# Altium PCB Template_F411.PcbDoc
Units mil, origin at the board's own origin, x right, y up, seen from the top; angles counter-clockwise.
Board outline 6000 x 4000 mil, 2 copper layers (Top Layer, Bottom Layer), stack 61.2 mil thick; 35 components, 51 nets, 215 pads, 157 vias.
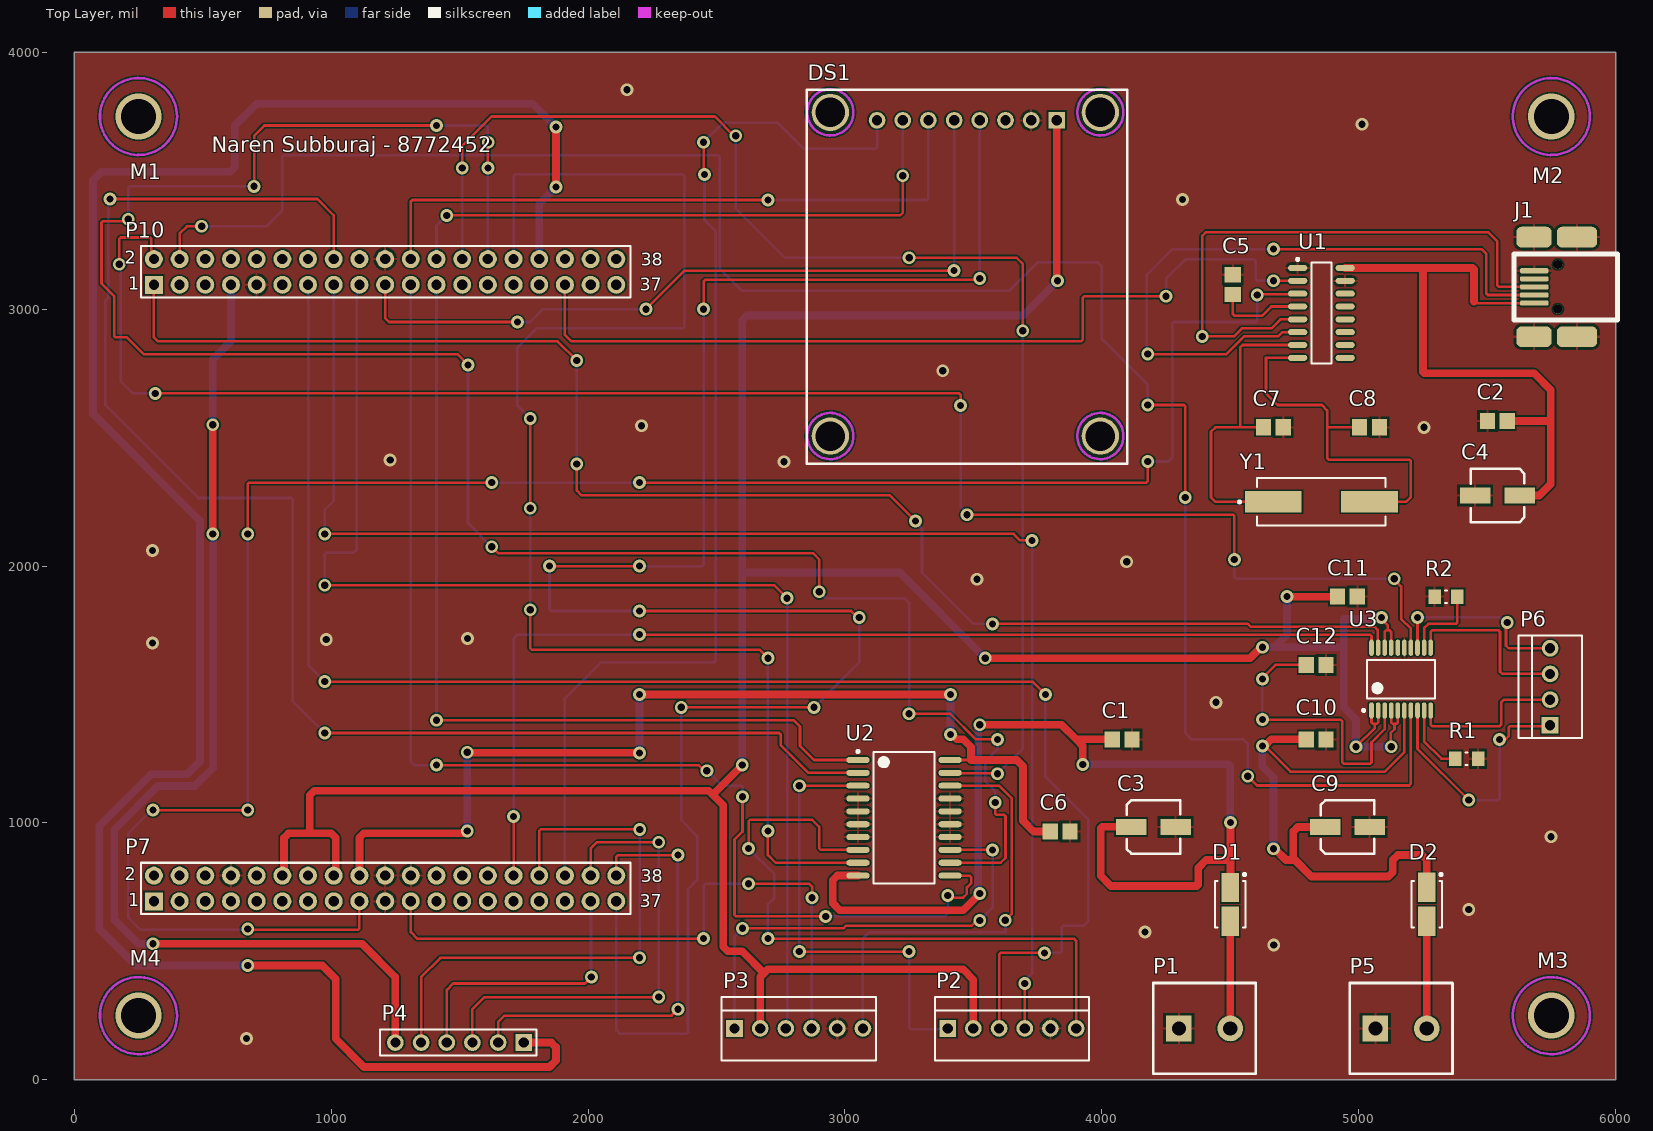
[diagram p0: Top Layer view]
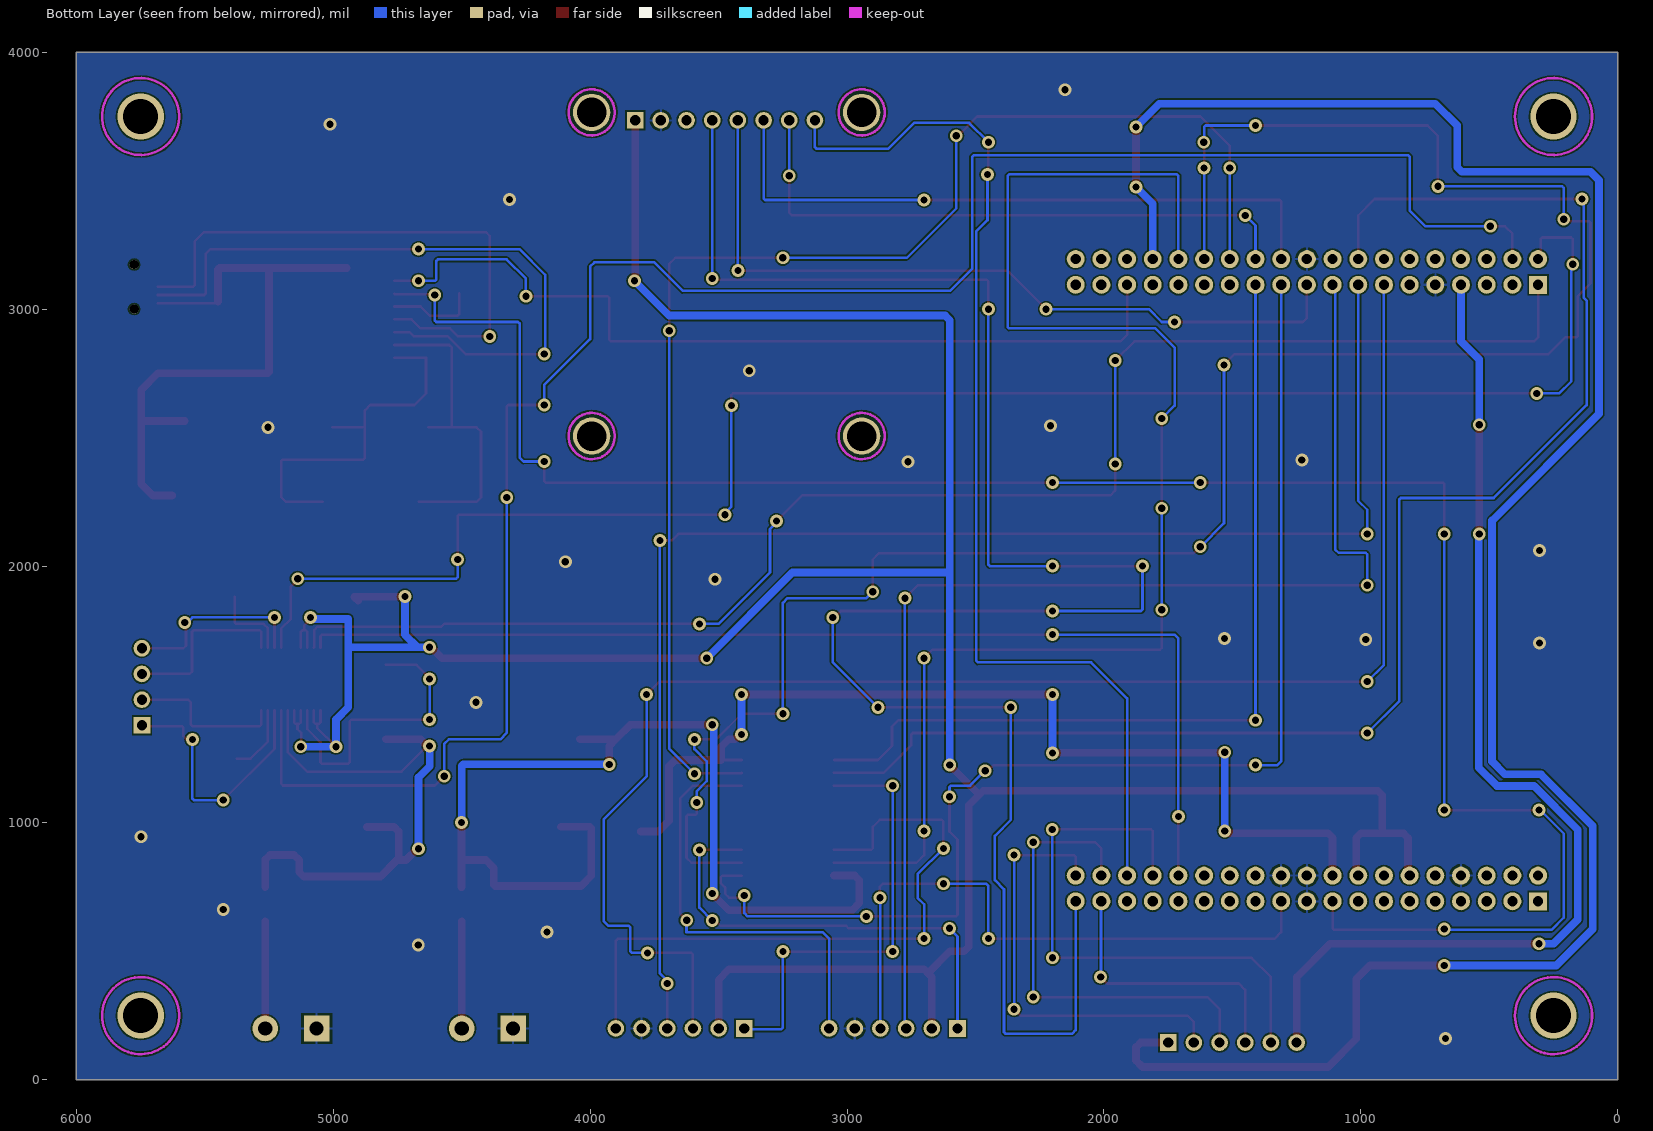
[diagram p1: Bottom Layer view, seen from below]
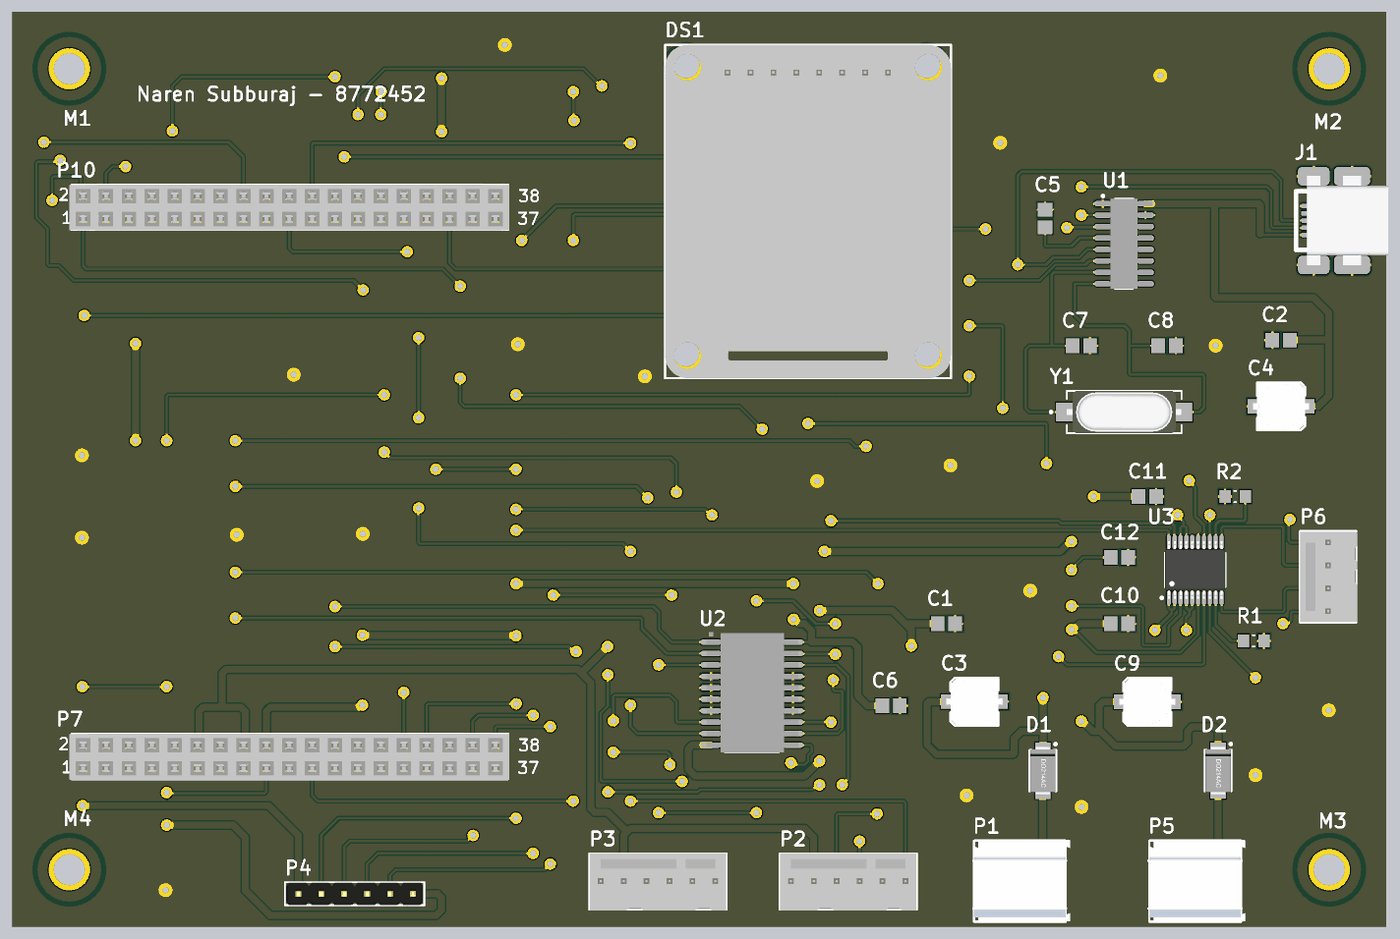
[diagram p2: 3D render of the assembled board from above, using the file's embedded part models]

## Layer stack, top to bottom
Top Solder: solder mask 0.4, Solder Resist, Dk 3.5
Top Layer: signal copper 1.4
Dielectric 1: dielectric 58.4, FR-4, Dk 4.8
Bottom Layer: signal copper 1.4
Bottom Solder: solder mask 0.4, Solder Resist, Dk 3.5

## Board outline
0,0 6000,0 6000,4000 0,4000

## Design rules (kind name [scope] priority, off if disabled: settings)
Clearance [All] p1: gap=6 ignorepadtopadclearanceinfootprint=TRUE
HoleSize [All] p1: absolutevalues=TRUE maxlimit=150 minlimit=20 maxpercent=80.000 minpercent=20.000
MinimumAnnularRing [All] p1: minimumring=10
MinimumSolderMaskSliver [All] p1: minsoldermaskwidth=3
PolygonConnect [All] p1: connectstyle=Relief reliefconductorwidth=10 reliefentries=4 polygonreliefangle="90 Angle" airgapwidth=10
RoutingVias [All] p1: holewidth=28 width=50 viastyle="Through Hole" minholewidth=20 minwidth=30 maxholewidth=40 maxwidth=50
SolderMaskExpansion [All] p1: expansion=5 istentingtop=FALSE
Width Power [InNetClass('POWER')] p1: maxlimit=100 minlimit=20 preferedwidth=30
Width [All] p2: maxlimit=30 minlimit=10 preferedwidth=10 minimp=50.000000 maximp=50.000000 favimp=50.000000
28 further rules are at their usual default settings.

## Classes and differential pairs
component class Sheet3: C9 C10 C11 C12 D2 P5 P6 R1 R2 U3
component class Sheet2: C1 C2 C3 C4 C5 C6 C7 C8 D1 DS1 J1 P1 P2 P3 U1 U2 Y1
component class Sheet1: P7 P10
component class Mechanical: M1 M2 M3 M4 M5

## Components (designator, comment, footprint, x,y, rotation, side; value= is the part's Value field where it differs from the comment)
C1 "Cap" CAPC2012X09M 4078.95,1325.32 r180 top value=.1uF
C2 "Cap" CAPC2012X09M 5540,2564.68 r180 top value=.1uF
C3 "Cap Pol" CAPACITOR_5MM 4201,984.68 r0 top value=10uF
C4 "Cap Pol" CAPACITOR_5MM 5540,2274.68 r180 top value=10uF
C5 "Cap" CAPC2012X09M 4510,3095.61 r90 top value=.1uF
C6 "Cap" CAPC2012X09M 3837.45,966.46 r180 top value=.1uF
C7 "Cap" CAPC2012X09M 4667.93,2540 r0 top value=33pF
C8 "Cap" CAPC2012X09M 5041.95,2540 r0 top value=33pF
C9 "Cap Pol" CAPACITOR_5MM 4956.16,984.03 r0 top value=10uF
C10 "Cap" CAPC2012X09M 4834.11,1325.32 r0 top value=.1uF
C11 "Cap" CAPC2012X09M 4956.16,1880.99 r0 top value=.1uF
C12 "Cap" CAPC2012X09M 4834.11,1615 r0 top value=220pF
D1 "DIODE SCHOTTKY 40V 2A SMA" DIOM4326X23M 4500,682.95 r270 top
D2 "DIODE SCHOTTKY 40V 2A SMA" DIOM4326X23M 5265,683.2 r270 top
DS1 "OLED" OLED_RGB_0.95_96x64_Waveshare 3825,3735 r0 top locked
J1 "67503-1020" MOLX-67503-1020_V 5683.47,3023.62 r180 top
M1 "MOUNTING_HOLE" MOUNTING_HOLE 250,3750 r0 top locked
M2 "MOUNTING_HOLE" MOUNTING_HOLE 5750,3750 r0 top locked
M3 "MOUNTING_HOLE" MOUNTING_HOLE 5750,250 r0 top locked
M4 "MOUNTING_HOLE" MOUNTING_HOLE 250,250 r0 top locked
M5 "Nucleo-64" NUCLEO_64 2827,5110 r90 top
P1 "Terminal 2" TYCO_282841_2 4400,200 r0 top
P2 "Molex_22-11-2062" MOLEX_22-11-2062 3400,200 r0 top
P3 "Molex_22-11-2062" MOLEX_22-11-2062 2570,200 r0 top
P4 "Header 6" HDR1X6 1750,145 r180 top
P5 "Terminal 2" TYCO_282841_2 5165,200 r0 top
P6 "Molex_22-11-2042" MOLEX-22-11-2042 5745,1380 r90 top
P7 "Header 19X2H" PPPC192LFBN-RC 310,695 r0 top locked
P10 "Header 19X2H" PPPC192LFBN-RC 310,3095 r0 top locked
R1 "Res3" RESC2112X05M 5420.51,1250 r180 top value=4.99R
R2 "Res3" RESC2112X05M 5339.8,1880.99 r0 top value=4.99R
U1 "CH340G" NSO16_L 4854.94,2985.43 r0 top
U2 "L293DD" SO20_N 3230,1020 r0 top
U3 "TB6608FNG,C8,EL" TSOP65P640X160-20M 5165,1560 r90 top
Y1 "AS-12.000-18-SMD-TR" HCS-49/U 4854.94,2250 r0 top

## Footprints (in the part's own frame and the unit in brackets; to place one, negate y for a bottom-side part, rotate by r counter-clockwise, add the part's x,y. Pads: shape width x height; smd on the part's side, far side on the other; paste and mask are expansions set on the pad)
CAPACITOR_5MM [mm]
  rect 3x1.6 smd: 1(-2.2,0) 2(2.2,0)
  silkscreen extent -2.65,-2.65 2.65,2.65, body extent -3.1,-2.65 3.1,2.65, height 6.15
CAPC2012X09M [mm] "Chip Capacitor, 2-Leads, Body 2.00x1.25mm, IPC Low Density"
  rect 1.5x1.6 smd: 1(-0.975,0) 2(0.975,0)
  body extent -1.1,-0.72 1.1,0.72, height 0.88
DIOM4326X23M [mm] "Molded Diode, 2-Leads, Body 4.30x2.60mm, IPC Low Density"
  rect 2.9x1.7 smd: 1(-1.675,0) 2(1.675,0)
  silkscreen extent -3.07,-1.5 2.3,1.53, body extent -2.74,-1.4 2.74,1.4, height 2.36
HCS-49/U [mm] "SMD, 2-Leads, Body 11.4x4.7mm"
  rect 5.6x2.1 smd: 1(-4.75,0) 2(4.75,0)
  silkscreen extent -8.22,-2.35 6.35,2.35, body extent -6.35,-2.35 6.35,2.35, height 4.16
HDR1X6 [mil] "Connector; Header; 6 Position"
  rect 65x65 hole 40: 1(0,0)
  round 65 hole 40: 2(100,0) 3(200,0) 4(300,0) 5(400,0) 6(500,0)
  silkscreen extent -50,-50 559,50, body extent -46,-48 554,50, height 370
MOLEX-22-11-2042 [mil] "CONN HEADER 4POS .100 VERT GOLD"
  rect 65x65 hole 40: 1(0,0)
  round 65 hole 40: 2(100,0) 3(200,0) 4(300,0)
  silkscreen extent -50,-124 350,123, body extent -47,-128 347,122, height 422
MOLEX_22-11-2062 [mil] "CONN HEADER 6POS .100 VERT GOLD"
  rect 65x65 hole 40: 1(0,0)
  round 65 hole 40: 2(100,0) 3(200,0) 4(300,0) 5(400,0) 6(500,0)
  silkscreen extent -50,-125 550,122, body extent -47,-128 547,122, height 422
MOLX-67503-1020_V [mm] "Mini USB Connector, SMT, Righer Angle"
  rrect50% 2.8x0.5 smd: 1(0,0) 2(0,-0.8) 3(0,-1.6) 4(0,-2.4) 5(0,-3.2)
  rrect50% 3.5x2.05 smd: 6(0.025,3.325) 8(0.025,-6.525)
  rrect50% 4x2.05 smd: 7(-4.225,3.325) 9(-4.225,-6.525)
  round 0.9 hole 0.9 unplated: X(-2.325,-3.8) Y(-2.325,0.6)
  silkscreen extent -8.25,-4.85 2,1.65, body extent -8.22,-6.56 0.78,3.34, height 3.95
MOUNTING_HOLE [mil]
  Keep-Out Layer circle w10: c0,0 r150
NSO16_L [mm] "SOIC, 16-Leads, Body 9.9x3.9mm, Pitch 1.27mm, IPC High Density"
  oval 1.9x0.6 smd: 1(-2.35,4.445) 2(-2.35,3.175) 3(-2.35,1.905) 4(-2.35,0.635) 5(-2.35,-0.635) 6(-2.35,-1.905) 7(-2.35,-3.175) 8(-2.35,-4.445) 9(2.35,-4.445) 10(2.35,-3.175) 11(2.35,-1.905) 12(2.35,-0.635) 13(2.35,0.635) 14(2.35,1.905) 15(2.35,3.175) 16(2.35,4.445)
  silkscreen extent -2.47,-5 1,5.42, body extent -3.1,-5 3.1,5, height 1.75
NUCLEO_64 [mil] "Nucleo 64 Placeholder"
  body extent -128,-1998 2628,1269, height 394
OLED_RGB_0.95_96x64_Waveshare [mil]
  rect 65x65 hole 40: 1(0,0)
  round 65 hole 40: 2(-100,0) 3(-200,0) 4(-300,0) 5(-400,0) 6(-500,0) 7(-600,0) 8(-700,0)
  round 145 hole 115: NC(-882,-1228.84) NC(-882,31) NC(169.18,-1228.84) NC(169.18,31)
  Keep-Out Layer circle w10: c-882,-1228.84 r90
  Keep-Out Layer circle w10: c169.18,-1228.84 r90
  Keep-Out Layer circle w10: c169.18,31 r90
  Keep-Out Layer circle w10: c-882,31 r90
  silkscreen extent -974,-1337 274,119, body extent -974,-1337 274,119, height 422
PPPC192LFBN-RC [mil] "38 Position Header Connector 0.100in (2.54mm) Through Hole Gold"
  rect 70x70 hole 40: 1(0,0)
  round 70 hole 40: 2(0,100) 3(100,0) 4(100,100) 5(200,0) 6(200,100) 7(300,0) 8(300,100) 9(400,0) 10(400,100) 11(500,0) 12(500,100) 13(600,0) 14(600,100) 15(700,0) 16(700,100) 17(800,0) 18(800,100) 19(900,0) 20(900,100) 21(1000,0) 22(1000,100) 23(1100,0) 24(1100,100) 25(1200,0) 26(1200,100) 27(1300,0) 28(1300,100) 29(1400,0) 30(1400,100) 31(1500,0) 32(1500,100) 33(1600,0) 34(1600,100) 35(1700,0) 36(1700,100) 37(1800,0) 38(1800,100)
  silkscreen extent -50,-50 1856,150, body extent -60,-51 1860,149, height 335
RESC2112X05M [mm] "Chip Resistor, 2-Leads, Body 2.05x1.25mm, IPC Low Density"
  rect 1.25x1.45 smd: 1(-1.125,0) 2(1.125,0)
  silkscreen extent -0.1,-0.63 0.1,0.63, body extent -1.1,-0.7 1.1,0.7, height 0.5
SO20_N [mm] "SOIC, 20-Leads, Body 12.8x7.5mm, Pitch 1.27mm, IPC Medium Density"
  oval 2.3x0.6 smd: 1(-4.55,5.715) 2(-4.55,4.445) 3(-4.55,3.175) 4(-4.55,1.905) 5(-4.55,0.635) 6(-4.55,-0.635) 7(-4.55,-1.905) 8(-4.55,-3.175) 9(-4.55,-4.445) 10(-4.55,-5.715) 11(4.55,-5.715) 12(4.55,-4.445) 13(4.55,-3.175) 14(4.55,-1.905) 15(4.55,-0.635) 16(4.55,0.635) 17(4.55,1.905) 18(4.55,3.175) 19(4.55,4.445) 20(4.55,5.715)
  silkscreen extent -4.67,-6.5 3,6.69, body extent -5.04,-6.52 5.15,6.82, height 2.67
TSOP65P640X160-20M [mm] "TSOP, 20-Leads, Body 6.85x4.40mm, Pitch 0.65mm, IPC Low Density"
  oval 1.6x0.45 smd: 1(-3.1,2.925) 2(-3.1,2.275) 3(-3.1,1.625) 4(-3.1,0.975) 5(-3.1,0.325) 6(-3.1,-0.325) 7(-3.1,-0.975) 8(-3.1,-1.625) 9(-3.1,-2.275) 10(-3.1,-2.925) 11(3.1,-2.925) 12(3.1,-2.275) 13(3.1,-1.625) 14(3.1,-0.975) 15(3.1,-0.325) 16(3.1,0.325) 17(3.1,0.975) 18(3.1,1.625) 19(3.1,2.275) 20(3.1,2.925)
  silkscreen extent -3.22,-3.35 1.9,3.82, body extent -3.2,-3.35 3.2,3.35, height 1.6
TYCO_282841_2 [mil]
  rect 100x100 hole 55: 1(-100,0)
  round 100 hole 55: 2(100,0)
  silkscreen extent -200,-177 200,177, body extent -209,-174 219,180, height 600

## Part data
C1: library part CAP-X7R-.1uF-50V-±10%, "CAP CER .1uF 50v X7R 0805", MPN=C0805C104K5RACTU, Tolerance=±10%, Name=CAP-X7R-.1uF-50V-±10%, PN=399-1170-1-ND, Type=X7R, URL=http://www.digikey.ca/product-detail/en/C0805C104K5RACTU/399-1170-1-ND, WV=50
C2 C5 C6 C10 C11: library part CAP-X7R-.1uF-50V-±5%, "CAP CER .1uF 50v X7R 0805", MPN=C0805C104J5RACTU, Tolerance=±5%, Name=CAP-X7R-.1uF-50V-±5%, PN=399-1171-1-ND, Type=X7R, URL=http://www.digikey.ca/product-detail/en/C0805C104J5RACTU/399-1171-1-ND, WV=50
C3 C4 C9: library part "Cap Polar-10uF-35V", "CAP 85C 10uF ±20% 35V WX Series Aluminum Electrolytic", Leakage Current=3.5, MPN=UWX1V100MCL1GB, Rated Ripple Current=29, Voltage=35V, Diameter=5, Name="Cap Polar-10uF-35V", PN=493-2117-1-ND, Tan Theta=0.12, URL=http://www.digikey.ca/product-detail/en/UWX1V100MCL1GB/493-2117-1-ND
C7 C8: library part CAP-COG-33pF-50V-±5%, "CAP CER 33pF 50v COG 0805", MPN=C0805C330J5GACTU, Tolerance=±5%, Name=CAP-COG-33pF-50V-±5%, PN=399-1115-1-ND, Type=COG, URL=http://www.digikey.ca/product-detail/en/C0805C330J5GACTU/399-1115-1-ND, WV=50
C12: library part CAP-X7R-220pF-50V-±10%, "CAP CER 220pF 50v X7R 0805", MPN=C0805C221K5RACTU, Tolerance=±10%, Name=CAP-X7R-220pF-50V-±10%, PN=399-1138-1-ND, Type=X7R, URL=http://www.digikey.ca/product-detail/en/C0805C221K5RACTU/399-1138-1-ND, WV=50
D1 D2: "Schottky Rectifier", MPN=B240A-13-F, PN=B240A-FDICT-ND, URL=http://www.digikey.ca/product-detail/en/B240A-13-F/B240A-FDICT-ND
DS1: library part OLED_RGB_0.95_96x64_Waveshare, "Waveshare 0.95 inch OLED Module", MPN=PPPC081LFBN-RC, PN=S7041-ND, URL=https://www.digikey.ca/en/products/detail/sullins-connector-solutions/PPPC081LFBN-RC/810180
J1: library part MOLX-67503-1020, "USB, MINI, SMD, RA KME04-USBMU03A01", Manufacturer=Molex, ComponentLink1Description="Manufacturer URL", ComponentLink1URL=http://www.molex.com/, ComponentLink2Description=Datasheet, ComponentLink2URL=http://www.molex.com/pdm_docs/sd/675031020_sd.pdf, DatasheetVersion="Rev F, 06/2009", Mounting Technology="Surface Mount", PackageDescription="Mini USB Connector, SMT, Righer Angle", PackageReference=67503-1020, PartNumber=67503-1020, Terminal Pitch="0.8 mm"
M1 M2 M3 M4: "Mounting Hole"
M5: "Nucleo-64 Board Model"
P1 P5: "Terminal, 2-Pin", MPN=282841-2, LatestRevisionDate=17-Jul-2002, LatestRevisionNote="Re-released for DXP Platform.", PN=A98342-ND, Publisher="Altium Limited", URL=http://www.digikey.ca/product-detail/en/282841-2/A98342-ND/1136740
P2 P3: "CONN HEADER 6POS .100 VERT GOLD", MPN=0022112062, PN=WM2704-ND, URL=http://www.digikey.ca/product-detail/en/0022112062/WM2704-ND
P4: "Header, 6-Pin Male", MPN=PEC06SFAN, PN=S1212E-06-ND, URL=http://www.digikey.ca/product-detail/en/PEC06SFAN/S1212E-06-ND
P6: "CONN HEADER 4POS .100 VERT GOLD", MPN=0022112042, PN=WM2702-ND, URL=http://www.digikey.ca/product-detail/en/0022112042/WM2702-ND
P7 P10: "38 Position Header Connector 0.100in (2.54mm) Through Hole Gold", MPN=PPPC192LFBN-RC, PN=S7122-ND, URL=https://www.digikey.ca/product-detail/en/sullins-connector-solutions/PPPC192LFBN-RC/S7122-ND
R1 R2: library part Resistor_4.99R, "RES SMD 4.99R OHM 1% 1/8W 0805", MPN=CRCW08054R99FKEA, Name=Resistor_4.99R, PN=541-4.99CCCT-ND, URL=http://www.digikey.ca/product-detail/en/CRCW08054R99FKEA/541-4.99CCCT-ND
U1: "USB to serial chip", MPN=CH340G, PN=CH340G, URL=https://www.mpja.com/download/35227cpdata.pdf
U2: "IC MOTOR DRIVER PAR 20-SOIC", MPN=L293DD013TR, Code_IPC=SOIC127P1030-20, Code_JEDEC=MS-013-AC, ComponentLink1Description="Manufacturer Link", ComponentLink1URL=http://www.st.com/, ComponentLink2Description=Datasheet, ComponentLink2URL=http://www.st.com/stonline/products/literature/ds/1330/l293d.pdf, DatasheetVersion=Jun-1996, LatestRevisionDate=13-Apr-2006, LatestRevisionNote="IPC-7351 Footprint Added.", PackageDescription="20-Pin Plastic Small Outline Integrated Circuit 1.27 mm Pitch", PackageReference=SO20, PackageVersion=Jul-2001, PN=497-2937-1-ND, Published=8-Jun-2000, Publisher="Altium Limited", URL=http://www.digikey.ca/product-detail/en/L293DD013TR/497-2937-1-ND
U3: "IC MTR DRV BIPLR 2.7-5.5V 20SSOP", MPN=TB6608FNG,C8,EL, PN=TB6608FNGC8ELCT-ND, URL=https://www.digikey.ca/en/products/detail/toshiba-semiconductor-and-storage/TB6608FNG-C8-EL/1730074
Y1: "CRYSTAL 12.0000MHZ 18PF SMD", MPN=AS-12.000-18-SMD-TR, PN=2151-AS-12.000-18-SMD-TRCT-ND, URL=https://www.digikey.ca/en/products/detail/raltron-electronics/AS-12-000-18-SMD-TR/10271753

## Via types
v1: diameter 50, hole 28, Top Layer to Bottom Layer, 153 vias
v2: diameter 180, hole 136, Top Layer to Bottom Layer, 4 vias

## Nets (pads, with @x,y where several pads share a name; then routed paths per layer and width w, separated by ;. In a path a pad name is that pad's centre, name@x,y a point inside that pad or via, vN(x,y) a via of type N, cw(c..) or ccw(c..) an arc to the next point about the centre after c; other vN are vias at no path point)
3V3: C11.1 DS1.1 P2.2 P3.2 P7.12 P7.16 U3.1 U3.2 U3.4 U3.5 U3.17 U3.18 | length 12533.2
  Top Layer w10: v1(4989.63,1296.77) 5062.64,1369.78 5062.64,1385.6 ; U3.1 5049.84,1391.46 5055.7,1385.6 5062.64,1385.6 ; U3.2 5075.43,1391.46 5069.58,1385.6 5062.64,1385.6 ; v1(5088.23,1800) 5088.23,1794.61 5113.82,1769.02 5113.82,1750 ; U3.18 5101.02,1744.14 5106.88,1750 5113.82,1750 ; v1(5126.61,1296.77) 5124.04,1299.35 5124.04,1349.41 5139.41,1364.78 5139.41,1385.6 ; U3.4 5126.61,1391.46 5132.47,1385.6 5139.41,1385.6 ; U3.17 5126.61,1744.14 5120.76,1750 5113.82,1750 ; U3.5 5152.2,1391.46 5146.35,1385.6 5139.41,1385.6
  Top Layer w30: P7.12 816.57,801.57 816.57,942.43 834.14,960 917.11,960 ; P7.16 1017.65,802.65 1017.65,942.43 1000.08,960 917.11,960 ; v1(2600,1225) 2485,1110 ; P3.2 2670,400 2685,415 ; P2.2 3500,390 3460,430 2700,430 2685,415 ; v1(3546.23,1641.44) 4576.93,1641.44 4619.59,1684.09 v1(4625,1684.09) ; DS1.1 3825,3113.27 v1(3827.84,3110.43) ; v1(4721.08,1880.99) C11.1 4917.78,1879.02 C11.1@4903.25,1864.49 ; 917.11,960 917.11,1107.43 934.68,1125 2470,1125 2485,1110 ; 2485,1110 2526,1069 2526,517.57 2543.57,500 2600,500 2685,415
  Bottom Layer w10: 4941.98,1680 4939.93,1682.05 4941.98,1684.09 ; v1@5082.22,1793.99 v1(5088.23,1800)
  Bottom Layer w30: v1(2600,1225) 2600,1975 ; v1(3546.23,1641.44) 3212.67,1975 2600,1975 ; v1(3827.84,3110.43) 3692.41,2975 2617.57,2975 2600,2957.43 2600,1975 ; v1(4625,1684.09) 4671.95,1684.09 ; v1(4721.08,1880.99) 4721.08,1733.23 4671.95,1684.09 ; 4941.98,1680 4941.98,1450 4989.63,1402.35 v1(4989.63,1296.77) v1(5126.61,1296.77) ; v1@5082.22,1793.99 4941.98,1793.99 4941.98,1684.09 4671.95,1684.09
5V0: C6.2 P7.18 U2.20 | length 3930.6
  Top Layer w10: U2.20 3490.95,1245
  Top Layer w30: P7.18 1110,942.43 1127.57,960 v1@1529.59,960 ; v1(1529.59,1275) 1531.1,1273.48 2198.48,1273.48 v1(2200,1271.97) ; v1(2200,1500) v1(3410.9,1500) ; v1(3410.9,1344.14) 3416.31,1344.14 3435.14,1325.32 3460,1325.32 3490.95,1294.36 3490.95,1245 3669.14,1245 3693.11,1221.03 3693.11,1008.66 3735.32,966.46 C6.2@3803.35,966.46
  Bottom Layer w30: v1(1529.59,969.14) v1(1529.59,1275) ; v1(2200,1271.97) v1(2200,1500) ; v1(3410.9,1344.14) v1(3410.9,1500)
AGND: P4.1 P10.32 | length 8263.9
  Top Layer w30: v1(675,445) 965.08,445 1017.65,392.43 1017.65,159.77 1127.43,50 1850,50 1875,75 1875,127.43 1857.43,145 P4.1 ; v1(1875,3475) v1(1875,3709.14)
  Bottom Layer w30: v1(675,445) 239,445 97,587 97,988 299,1190 440,1190 489,1239 489,2177 73,2593 73,3502.14 105.86,3535 607.43,3535 625,3552.57 625,3715 710,3800 1785,3800 1875,3710 v1(1875,3709.14) ; P10.32 1810,3410 v1(1875,3475)
ANALOG_IN_1: P4.2 P7.38 | length 1728.1
  Top Layer w10: P4.2 1650,225 1675,250 2325,250 v1(2350,275) ; P7.38 2110,869.14 2115.86,875 v1(2350,875)
  Bottom Layer w10: v1(2350,275) v1(2350,875)
  Bottom Layer w30: P7.38 P7.38@2117.65,787.35
ANALOG_IN_2: P4.3 P7.36 | length 1857.7
  Top Layer w10: P4.3 1550,275 1597,322 v1(2275,322) ; P7.36 2010,899.77 2035.23,925 v1(2275,925)
  Bottom Layer w10: v1(2275,322) v1(2275,925)
ANALOG_IN_3: P4.4 P7.35 | length 1084.7
  Top Layer w10: P4.4 1450,350 1475,375 1987.79,375 v1(2012.79,400)
  Bottom Layer w10: P7.35 2011.4,693.6 2011.4,401.4 v1(2012.79,400)
ANALOG_OUT: P4.5 P7.32 | length 2204
  Top Layer w10: P4.5 1350,400 1425,475 v1(2200,475) ; P7.32 1810,969.14 1815.86,975 v1(2201,975)
  Bottom Layer w10: v1(2200,475) 2200.5,475.5 2200.5,974.5 v1(2201,975)
AVDD: P4.6 P10.7 | length 4186.8
  Top Layer w30: v1(307,530) 1120,530 1250,400 P4.6 ; v1(539,2125) v1(539,2550)
  Bottom Layer w30: v1(307,530) 250,530 156,624 156,974 326,1144 470,1144 541,1215 541,2123 v1(539,2125) ; v1(539,2550) 539,2804 610,2875 P10.7
GND: C1.1 C2.2 C3.2 C4.2 C5.2 C6.1 C7.2 C8.2 C9.2 C10.2 C11.2 C12.2 DS1.2 J1.5 J1.6 J1.7 J1.8 J1.9 P1.1 P2.5 P3.5 P5.1 P7.8 P7.19 P7.20 P7.22 P10.9 P10.20 R1.1 R2.1 U1.1 U1.15 U2.4 U2.5 U2.6 U2.7 U2.14 U2.15 U2.16 U2.17 U3.15
  other v1: 670.06,160.88 4669.11,524.34 4167.53,574.95 5428.39,663.27 5748,946.53 4445.01,1469.45 305,1701 980.86,1713.58 1531.1,1717.59 3514.28,1948.46 4096.67,2016.91 305,2060.71 2762.49,2405.75 1229.65,2413.29 5254.31,2540 2208.09,2546.09 3381,2760 4313.78,3426.57 5013,3720 2151.35,3854
MOTOR1_DIR1: P10.16 U2.2 | length 5883.1
  Top Layer w10: v1(139,3429) 946,3429 1010,3365 P10.16 ; v1(975,1350) 2744.14,1350 2750,1344.14 2750,1303.46 2858.46,1195 U2.2
  Bottom Layer w10: v1(139,3429) 132,3422 132,3044 121,3033 121,2627 483.13,2264.87 844.14,2264.87 850,2259.02 850,1475 v1(975,1350)
MOTOR1_DIR2: P10.30 U2.9 | length 5526.9
  Top Layer w10: v1(1775,1829.99) 1775,1680.4 1780.86,1674.54 2666.89,1674.54 v1(2700,1641.44) ; v1(1775,2225) v1(1775,2575) ; v1(2700,969.14) 2700,875 2730,845 U2.9
  Bottom Layer w10: P10.30 1710,3519.14 1715.86,3525 2369.14,3525 2375,3519.14 2375,2930.86 2369.14,2925 1800,2925 1725,2850 1725,2625 v1(1775,2575) ; v1(1775,1829.99) v1(1775,2225) ; v1(2700,969.14) v1(2700,1641.44)
MOTOR1_ENCODER_A: P2.3 P10.13 | length 6104.1
  Top Layer w10: v1(975,1550) 3730.31,1550 v1(3780.31,1500) ; P2.3 3600,488.28 3605.86,494.14 v1(3776.38,494.14)
  Bottom Layer w10: P10.13 910,1615 v1(975,1550) ; v1(3780.31,1500) 3780.31,1181.54 3947,1014.85 3947,617.01 3929.99,600 3850,600 3843.31,593.31 3843.31,500 3837.45,494.14 v1(3776.38,494.14) v1@3784.03,501.8
MOTOR1_ENCODER_B: P2.4 P10.15 | length 5660
  Top Layer w10: v1(975,2125) 3656.59,2125 3681.59,2100 v1(3728.41,2100) ; P2.4 v1(3700,375)
  Bottom Layer w10: v1(975,2125) 975,2219.14 1010,2254.14 P10.15 ; v1(3700,375) 3700,385.82 3728.41,414.23 v1(3728.41,2100)
MOTOR1_PWM: P10.23 U2.1 | length 3444
  Top Layer w10: v1(1410,1400) 2800,1400 2825,1375 2825,1300 2880,1245 U2.1
  Bottom Layer w10: v1(1410,1400) P10.23
MOTOR2_DIR1: P10.28 U2.12 | length 8357.9
  Top Layer w10: v1(210,3350) 203,3343 111.72,3343 105.86,3337.14 105.86,3100.14 155,3051 155,2895.86 160.86,2890 204.86,2890 269.86,2825 1490.91,2825 v1(1532.76,2783.15) ; v1(700,3478.14) 700,3675 740,3715 v1(1410,3715) ; v1(1610,3550) 1610,3648.67 v1(1611.33,3650) ; v1(1625,2075) 1650,2050 2875,2050 2900,2025 v1(2900,1900) ; v1(3249.69,1425) 3409.95,1425 3509.64,1325.32 v1(3594.16,1325.32) ; U2.12 3605.86,845 3625,864.14 3625,1025.47 3619.14,1031.33 3590.87,1031.33 3585.01,1037.19 v1(3585.01,1078.99)
  Bottom Layer w10: v1(210,3350) 210,3472.28 215.86,3478.14 v1@699.72,3478.14 ; v1(1410,3715) 1604.14,3715 1610,3709.14 1610,3651.33 v1(1611.33,3650) ; v1(1532.76,2783.15) 1532.76,2167.24 v1(1625,2075) ; P10.28 v1(1610,3550) ; v1(2900,1900) 2925,1875 3232.01,1875 3250,1857.01 3250,1425.31 v1(3249.69,1425) ; v1(3585.01,1078.99) 3585.02,1123.99 3546.23,1162.78 3546.23,1239.68 3594.16,1287.61 v1(3594.16,1325.32)
MOTOR2_DIR2: P10.26 U2.19 | length 5285.2
  Top Layer w10: v1(1510,3550) 1510,3635 1625,3750 2493.43,3750 2568.43,3675 v1(2575,3675) ; v1(3250,3200) 3668.9,3200 3692.41,3176.49 v1(3692.41,2916.29) ; U2.19 3410.9,1193.23 3592.39,1193.23 v1(3594.16,1191.47)
  Bottom Layer w10: P10.26 v1(1510,3550) ; v1(2575,3675) 2575,3392.57 2767.57,3200 v1(3250,3200) ; v1(3594.16,1191.47) 3692.41,1289.72 v1(3692.41,2916.29)
MOTOR2_ENCODER_A: P3.3 P10.17 | length 4785.3
  Top Layer w10: v1(975,1925) 2725,1925 v1(2775,1875)
  Bottom Layer w10: v1(975,1925) 975,2045.14 980.86,2051 1086,2051 1100,2065 1100,3085 P10.17 ; P3.3 2775,205 v1(2775,1875)
MOTOR2_ENCODER_B: P3.4 P7.21 | length 2458.1
  Top Layer w10: P7.21 1310,575 1335,550 v1(2450,550) ; v1(2625,763.38) 2860.35,763.38 2871.97,751.77 v1(2871.97,708.53)
  Bottom Layer w10: v1(2450,550) 2450,754.87 2458.51,763.38 v1(2625,763.38) ; P3.4 2870,706.57 v1(2871.97,708.53)
MOTOR2_PWM: P10.21 U2.11 | length 4844
  Top Layer w10: v1(1410,1225) 2429.78,1225 2451.54,1203.24 v1(2462.36,1203.24) ; v1(2601.13,1101.96) 2601.13,966.13 2570,935 2570,641.86 2575.86,636 v1(2925,636) ; v1(3400,717) 3407.65,709.35 3460,709.35 3475,724.35 3475,749.14 3490.95,765.09 3490.95,789.14 3485.09,795 U2.11
  Bottom Layer w10: P10.21 1310,1240 1325,1225 v1(1410,1225) ; v1(2462.36,1203.24) 2520.6,1145 2595.27,1145 2601.13,1139.14 v1(2601.13,1101.96) ; v1(2925,636) 3387.16,636 3400,648.84 v1(3400,717)
NetC5_1: C5.1 U1.4 | length 350.3
  Top Layer w10: C5.1@4510,3061.61 4510,2980.86 4515.86,2975 4624.62,2975 4660.06,3010.43 U1.4
NetC7_1: C7.1 U1.7 Y1.1 | length 1256.9
  Top Layer w10: C7.1 4536,2540 ; Y1.1 4441.89,2250 4425,2266.89 4425,2523.11 4441.89,2540 4536,2540 ; U1.7 4548.98,2860.43 4538.54,2850 4538.54,2542.54 4536,2540
NetC8_1: C8.1 U1.8 Y1.2 | length 1478.2
  Top Layer w10: U1.8 4639.19,2810.43 4639.19,2672.27 4684.45,2627 4856.44,2627 4877.42,2606.03 4877.42,2419.86 4883.27,2414 5197.53,2414 5203.39,2408.14 5203.39,2269.68 5183.7,2250 Y1.2 ; 4877.42,2540 C8.1
NetC9_1: C9.1 C10.1 D2.1 U3.6 | length 2449
  Top Layer w10: v1(4625,1299.35) 4634.65,1299.35 4734,1200 5102.2,1200 5177.8,1275.59 U3.6
  Top Layer w30: v1(4625,1299.35) 4628.83,1303.18 4638.1,1303.18 4660.24,1325.32 C10.1 ; v1(4667.93,899.32) 4673.34,899.32 4717.1,855.56 4745.15,855.56 ; C9.1 4762.73,984.03 4745.15,966.46 4745.15,855.56 ; D2.1 5265,857.43 5247.43,875 5151.91,875 5132.47,855.56 5132.47,808.76 5114.9,791.19 4816.42,791.19 4752.05,855.56 4745.15,855.56
  Bottom Layer w30: v1(4625,1299.35) 4625,1221.25 4667.93,1178.32 v1(4667.93,899.32)
NetC12_1: C12.1 U3.3 | length 1167.4
  Top Layer w10: v1(4625,1402.35) 4928.26,1402.35 4936.48,1394.14 4936.48,1236.17 4942.33,1230.32 5043.98,1230.32 5049.84,1236.17 5049.84,1313.6 5101.02,1364.78 U3.3 ; v1(4625,1560) 4625,1564.2 4675.8,1615 C12.1
  Bottom Layer w10: v1@4624.62,1402.73 4625,1403.11 v1(4625,1560)
NetD1_2: D1.2 P1.2 | length 417
  Top Layer w30: P1.2 D1.2
NetD2_2: D2.2 P5.2 | length 417.3
  Top Layer w30: P5.2 D2.2
NetJ1_2: J1.2 U1.6 | length 2643.4
  Top Layer w10: v1(4179,2825) 4484.76,2825 4553.76,2894 4686.46,2894 4702.89,2910.43 U1.6 ; v1(4667.93,3234.01) 5477.25,3234.01 5496.69,3214.57 5496.69,3060.98 5502.55,3055.12 J1.2
  Bottom Layer w10: v1(4179,2825) 4175,2829 4175,3134 4275.01,3234.01 v1(4667.93,3234.01)
NetJ1_3: J1.3 U1.5 | length 2277.4
  Top Layer w10: U1.5 4695.49,2960.43 4660.06,2925 4545.36,2925 4514.36,2894 v1(4391,2894) 4391,3285.14 4405.86,3300 5503.99,3300 5540,3263.99 5540,3092.74 5545.85,3086.88 5683.2,3086.88 J1.3
NetP2_1: P2.1 U2.3 | length 1751.6
  Top Layer w10: v1(2822.46,499.21) v1(3249.69,499.21) ; v1(2822.46,1145) U2.3
  Bottom Layer w10: v1(2822.46,499.21) v1(2822.46,1145) ; v1(3249.69,499.21) 3249.69,203.18 3255.86,197 3397,197 P2.1
NetP2_6: P2.6 U2.8 | length 2579
  Top Layer w10: v1(2625,900.86) 2625,1006.55 2630.86,1012.41 2871.97,1012.41 2900,984.37 2900,900.86 2905.86,895 U2.8 ; v1(2700,550) 3891.22,550 3900,541.22 P2.6
  Bottom Layer w10: v1(2625,900.86) 2725,800.86 2725,708.53 2700,683.53 v1(2700,550)
NetP3_1: P3.1 U2.13 | length 1800.3
  Top Layer w10: v1(2601.13,589.71) 2993.71,589.71 3004,600 3493.59,600 3514.18,620.59 v1(3525,620.59) ; U2.13 v1(3575,895)
  Bottom Layer w10: P3.1 2570,557.2 2601.13,588.32 v1(2601.13,589.71) ; v1(3525,620.59) 3575,670.59 v1(3575,895)
NetP3_6: P3.6 U2.18 | length 1708
  Top Layer w10: U2.18 3600,1145 3650,1095 3650,647.26 v1(3624.17,621.42)
  Bottom Layer w10: P3.6 3070,550 3094.95,574.95 3625,574.95 3625,620.59 v1(3624.17,621.42)
NetP6_1: P6.1 U3.8 | length 1023.1
  Top Layer w10: U3.8 5228.98,1288.43 v1(5428.39,1089.02) ; v1(5548.61,1325.32) 5571.1,1325.32 5583.3,1337.52 5583.3,1370.64 5589.16,1376.5 5741.5,1376.5 P6.1
  Bottom Layer w10: v1(5428.39,1089.02) 5542.75,1089.02 5548.61,1094.87 v1(5548.61,1325.32)
NetP6_2: P6.2 U3.10 | length 616.8
  Top Layer w10: U3.10 5280.16,1382.35 5286.02,1376.5 5548.61,1376.5 5554.47,1382.35 5554.47,1469.45 5565.02,1480 P6.2
NetP6_3: P6.3 U3.11 | length 690.4
  Top Layer w10: U3.11 5280.16,1744.14 5286.02,1750 5544.14,1750 5550,1744.14 5550,1589.37 5559.37,1580 P6.3
NetP6_4: P6.4 U3.13 | length 744
  Top Layer w10: U3.13 v1(5228.98,1800) ; v1(5578.38,1780.86) 5573.46,1775.94 5573.46,1689.84 5583.3,1680 P6.4
  Bottom Layer w10: v1(5228.98,1800) 5548.42,1800 5567.56,1780.86 v1(5578.38,1780.86)
NetR1_2: R1.2 U3.9 | length 269.8
  Top Layer w10: U3.9 5254.57,1317.87 5322.44,1250 R1.2
NetR2_2: R2.2 U3.12 | length 315.4
  Top Layer w10: U3.12 5254.57,1758.57 5271,1775 5378.24,1775 5384.09,1780.86 R2.2
OLED_CS: DS1.6 P10.22 | length 2548.1
  Top Layer w10: P10.22 1310,3419.14 1315.86,3425 v1(2700,3425)
  Bottom Layer w10: v1(2700,3425) 3319.14,3425 3325,3430.86 DS1.6
OLED_DC: DS1.7 P10.24 | length 2325.7
  Top Layer w10: v1(1450,3365) 3215,3365 3225,3375 v1(3225,3519.14)
  Bottom Layer w10: P10.24 1410,3325 v1(1450,3365) ; v1(3225,3519.14) DS1.7
OLED_MOSI: DS1.4 P7.37 | length 7821.2
  Top Layer w10: v1(1850,2000) v1(2200,2000) ; v1(2200,1825) 3024.22,1825 3049.22,1800 v1(3055.79,1800) ; v1(2362.59,1450) v1(2880,1450) ; v1(2450,3000) 2450,3108.14 2455.86,3114 3519.31,3114 v1(3525,3119.69)
  Bottom Layer w10: v1(1850,2000) 1850,1830.86 1855.86,1825 v1(2200,1825) ; P7.37 2110,193.14 2123,180.14 2383.14,180.14 2389,186 2389,741.5 2425,777.5 2425,950 2362.59,1012.41 v1(2362.59,1450) ; v1(2200,2000) 2444.14,2000 2450,2005.86 v1(2450,3000) ; v1(2880,1450) 3055.79,1625.79 v1(3055.79,1800) ; v1(3525,3119.69) DS1.4
OLED_RES: DS1.8 P7.34 | length 4229.4
  Top Layer w10: v1(2450,3650) 2450,3527.31 v1(2453.2,3524.1)
  Bottom Layer w10: P7.34 1910,1485 2050,1625 2490.64,1625 2496.5,1630.86 2496.5,3303.5 2453.2,3346.8 v1(2453.2,3524.1) ; v1(2450,3650) 2525,3725 2738.97,3725 2838.97,3625 3119.14,3625 3125,3630.86 DS1.8
OLED_SCK: DS1.5 P10.19 | length 3019.1
  Top Layer w10: P10.19 1210,2965 1225,2950 v1(1725,2950) ; v1(2225,3000) 2375,3150 v1(3425,3150)
  Bottom Layer w10: v1(1725,2950) 1775,2950 1825,3000 v1(2225,3000) ; v1(3425,3150) DS1.5
STEPPER_DIR: P10.4 U3.7 | length 7822.7
  Top Layer w10: P10.4 410,3293.99 438.71,3322.7 v1(495.86,3322.7) ; v1(4179,2627) 4319.14,2627 4325,2621.14 v1(4325,2266.89) ; v1(4568.35,1181.54) 4604.1,1145.79 5196.18,1145.79 5203.39,1152.99 U3.7
  Bottom Layer w10: v1(495.86,3322.7) 747.7,3322.7 810,3385 810,3594.14 815.86,3600 2506.64,3600 2512.5,3594.14 2512.5,3158.5 2600,3071 3638.71,3071 3750,3182.29 3983.77,3182.29 4000,3166.06 4000,2884 4179,2705 v1(4179,2627) ; v1(4325,2266.89) 4325,1350.32 4350,1325.32 4550.63,1325.32 4568.35,1307.6 v1(4568.35,1181.54)
STEPPER_ENABLE: P10.1 U3.19 | length 5909.8
  Top Layer w10: P10.1 310,2890 325,2875 1881.27,2875 v1(1956.27,2800) ; v1(1956.27,2397.66) 1956.27,2293.73 1975,2275 3175,2275 v1(3275,2175) ; v1(3575,1775) 4568.35,1775 4579.35,1764 4604.86,1764 5061.63,1764 5073.96,1751.68 5073.96,1683.52 U3.19
  Bottom Layer w10: v1(1956.27,2397.66) v1(1956.27,2800) ; v1(3275,2175) 3275,2168.43 3300,2143.43 3300,1975 3500,1775 v1(3575,1775)
STEPPER_RESET: P10.2 U3.14 | length 6737.6
  Top Layer w10: v1(175,3175) 175,3273.14 180.86,3279 294.14,3279 300,3273.14 300,3205 P10.2 ; v1(315.13,2671.86) 3444.14,2671.86 3450,2666.01 v1(3450,2625) ; v1(3475.02,2200) 4510,2200 4515.86,2194.14 v1(4515.86,2025) ; v1(5138.64,1950.53) 5138.64,1946.67 5165,1920.32 5165,1794.61 5203.39,1756.23 U3.14
  Bottom Layer w10: v1(175,3175) 180.86,3169.14 180.86,2719.14 228.14,2671.86 v1(315.13,2671.86) ; v1(3450,2625) 3450,2231.55 3475.02,2206.53 v1(3475.02,2200) ; v1(4515.86,2025) 4515.86,1956.39 4521.72,1950.53 v1(5138.64,1950.53)
STEPPER_STEP: P7.30 U3.20 | length 4317
  Top Layer w10: P7.30 v1(1710,1025) ; v1(2200,1733.23) 5043.98,1733.23 5049.84,1727.37 U3.20
  Bottom Layer w10: v1(1710,1025) 1710,1718.23 1725,1733.23 v1(2200,1733.23)
USB_UART_RX: P10.33 U1.2 | length 3402.4
  Top Layer w10: P10.33 1910,2900 1935,2875 3919.14,2875 3925,2880.86 3925,3044 3931,3050 v1(4250,3050) ; v1(4667.93,3110.43) U1.2
  Bottom Layer w10: v1(4250,3050) 4250,3118.9 4325,3193.9 4593.22,3193.9 4599.08,3188.04 4599.08,3116.29 4604.94,3110.43 v1(4667.93,3110.43)
USB_UART_TX: P7.17 U1.3 | length 7931.5
  Top Layer w10: v1(307,1050) v1(675,1050) ; v1(675,587) 678,584 1104.14,584 1110,589.86 P7.17 ; v1(675,2125) 675,2319.14 680.86,2325 v1(1625,2325) ; v1(2200,2325) 4173.14,2325 4179,2330.86 v1(4179,2406.99) ; v1(4604.94,3055.12) 4607.65,3057.83 4759.81,3057.83 U1.3
  Bottom Layer w10: v1(307,1050) 301.57,1050 210,958.43 210,631 257,584 672,584 v1(675,587) ; v1(675,1050) v1(675,2125) ; v1(1625,2325) v1(2200,2325) ; v1(4179,2406.99) 4258.99,2406.99 4275,2423 4275,2944.14 4280.86,2950 4599.08,2950 4604.94,2955.86 v1(4604.94,3055.12)
VBUS: C2.1 C4.1 J1.1 U1.16 | length 2473.2
  Top Layer w10: 5250,2755.86 5255.86,2750 ; 5443.13,3160.43 5448.98,3154.57 ; 5448.98,3029.48 5454.84,3023.62 J1.1
  Top Layer w30: U1.16 5250,3160.43 ; 5250,2755.86 5250,3160.43 ; 5255.86,2750 5683.2,2750 5748,2685.2 5748,2564.68 ; 5443.13,3160.43 5250,3160.43 ; 5448.98,3029.48 5448.98,3154.57 ; C2.1 5748,2564.68 ; C4.1 5703.35,2274.68 5748,2319.33 5748,2564.68
VMOTOR: C1.2 C3.1 D1.1 U2.10 | length 4074.6
  Top Layer w10: 3995.57,978.83 4001.43,984.68 ; 4369.14,754.25 4375,760.11 ; 4494.14,856 4500.64,862.5
  Top Layer w30: U2.10 2970.24,795 2952.67,777.43 2952.67,688.16 2980.26,660.57 3460.57,660.57 v1(3525,725) ; v1(3525,1382.35) 3842.96,1382.35 3900,1325.32 ; v1(3926,1227.99) 3926,1299.32 3900,1325.32 ; 3995.57,978.83 3995.57,794.38 4035.69,754.25 4369.14,754.25 ; 4001.43,984.68 C3.1 ; C1.2 3900,1325.32 ; 4375,760.11 4375,824.69 4406.31,856 4494.14,856 ; D1.1@4500.64,749.54 4500.64,862.5 v1(4500.64,1001.59)
  Bottom Layer w10: v1@3518.43,731.57 v1(3525,725) ; v1@3518.43,1375.79 v1(3525,1382.35) ; 4494.15,1227.99 4500.01,1222.13 ; v1@4500.01,1002.22 v1(4500.64,1001.59)
  Bottom Layer w30: v1@3518.43,731.57 v1@3518.43,1375.79 ; v1(3926,1227.99) 4494.15,1227.99 ; v1@4500.01,1002.22 4500.01,1222.13
pads on no net: DS1.3 DS1.NC J1.4 J1.X J1.Y P7.1 P7.2 P7.3 P7.4 P7.5 P7.6 P7.7 P7.9 P7.10 P7.11 P7.13 P7.14 P7.15 P7.23 P7.24 P7.25 P7.26 P7.27 P7.28 P7.29 P7.31 P7.33 P10.3 P10.5 P10.6 P10.8 P10.10 P10.11 P10.12 P10.14 P10.18 P10.25 P10.27 P10.29 P10.31 P10.34 P10.35 P10.36 P10.37 P10.38 U1.9 U1.10 U1.11 U1.12 U1.13 U1.14 U3.16
copper on no net:
  other v2: 250,250 5750,250 250,3750 5750,3750

## Polygon pours and split planes (outlines as drawn)
GND on Top Layer "GND_L01_P000" (solid, pour order 0): 0,0 6000,0 6000,4000 0,4000
GND on Bottom Layer "GND_L02_P001" (solid, pour order 1): 0,0 6000,0 6000,4000 0,4000

## Other copper
Top Layer:

## Silkscreen, mask and mechanical layers (free items; w line width, h text height)
Top Overlay:
  text "Naren Subburaj - 8772452" at 536.07,3611.26 h60
Outline:
  the board outline again, w10
Drill Drawing:
  drawing of 386 lines, arcs and shapes, not listed
  text "Layer" at 6774.79,5371.46 h60
  text "Name" at 7184.7,5371.46 h60
  text "Material" at 8114.44,5371.46 h60
  text "Thickness" at 8974.21,5371.46 h60
  text "Constant" at 9624.05,5371.46 h60
  text "Board Layer Stack" at 10193.91,5371.46 h60
  text "Top Overlay" at 7184.7,5251.46 h60
  text "Top Solder" at 7184.7,5131.46 h60
  text "Solder Resist" at 8114.44,5131.46 h60
  text "0.40mil" at 8974.21,5131.46 h60
  text "3.5" at 9624.05,5131.46 h60
  text "1" at 6774.79,5011.46 h60
  text "Top Layer" at 7184.7,5011.46 h60
  text "1.40mil" at 8974.21,5011.46 h60
  text "Dielectric 1" at 7184.7,4891.46 h60
  text "FR-4" at 8114.44,4891.46 h60
  text "58.40mil" at 8974.21,4891.46 h60
  text "4.8" at 9624.05,4891.46 h60
  text "2" at 6774.79,4771.46 h60
  text "Bottom Layer" at 7184.7,4771.46 h60
  text "1.40mil" at 8974.21,4771.46 h60
  text "Bottom Solder" at 7184.7,4651.46 h60
  text "Solder Resist" at 8114.44,4651.46 h60
  text "0.40mil" at 8974.21,4651.46 h60
  text "3.5" at 9624.05,4651.46 h60
  text "Bottom Overlay" at 7184.7,4531.46 h60
  text "Symbol" at 6790.28,1151 h72
  text "Count" at 7296.16,1151 h72
  text "Hole Size" at 7896,1151 h72
  text "Plated" at 9045.66,1151 h72
  text "Hole Type" at 9551.54,1151 h72
  text "Drill Layer Pair" at 10285.34,1151 h72
  text "Via/Pad" at 11784.89,1151 h72
  text "Pad Shape" at 12374.74,1151 h72
  text "Template" at 13120.54,1151 h72
  text "Description" at 13770.37,1151 h72
  text "Hole Tolerance (+)" at 14624.13,1151 h72
  text "Hole Tolerance (-)" at 15957.74,1151 h72
  text "2" at 7296.16,1001 h60
  text "35.43mil (0.900mm)" at 7896,1001 h60
  text "NPTH" at 9045.66,1001 h60
  text "Round" at 9551.54,1001 h60
  text "Top Layer - Bottom Layer" at 10285.34,1001 h60
  text "Pad" at 11784.89,1001 h60
  text "Rounded" at 12374.74,1001 h60
  text "c90hn90" at 13120.54,1001 h60
  text "4" at 7296.16,851 h60
  text "55.00mil (1.397mm)" at 7896,851 h60
  text "PTH" at 9045.66,851 h60
  text "Round" at 9551.54,851 h60
  text "Top Layer - Bottom Layer" at 10285.34,851 h60
  text "Pad" at 11784.89,851 h60
  text "(Mixed)" at 12374.74,851 h60
  text "(Mixed)" at 13120.54,851 h60
  text "4" at 7296.16,701 h60
  text "115.00mil (2.921mm)" at 7896,701 h60
  text "PTH" at 9045.66,701 h60
  text "Round" at 9551.54,701 h60
  text "Top Layer - Bottom Layer" at 10285.34,701 h60
  text "Pad" at 11784.89,701 h60
  text "Rounded" at 12374.74,701 h60
  text "c368h292" at 13120.54,701 h60
  text "4" at 7296.16,551 h60
  text "136.00mil (3.454mm)" at 7896,551 h60
  text "PTH" at 9045.66,551 h60
  text "Round" at 9551.54,551 h60
  text "Top Layer - Bottom Layer" at 10285.34,551 h60
  text "Via" at 11784.89,551 h60
  text "Rounded" at 12374.74,551 h60
  text "v457h345" at 13120.54,551 h60
  text "106" at 7296.16,401 h60
  text "40.00mil (1.016mm)" at 7896,401 h60
  text "PTH" at 9045.66,401 h60
  text "Round" at 9551.54,401 h60
  text "Top Layer - Bottom Layer" at 10285.34,401 h60
  text "Pad" at 11784.89,401 h60
  text "(Mixed)" at 12374.74,401 h60
  text "(Mixed)" at 13120.54,401 h60
  text "153" at 7296.16,251 h60
  text "28.00mil (0.711mm)" at 7896,251 h60
  text "PTH" at 9045.66,251 h60
  text "Round" at 9551.54,251 h60
  text "Top Layer - Bottom Layer" at 10285.34,251 h60
  text "Via" at 11784.89,251 h60
  text "Rounded" at 12374.74,251 h60
  text "v127h71" at 13120.54,251 h60
  text "273 Total" at 7296.16,101 h60

## Dimensions
-16,4000 to -16,0 on Drill Drawing
6000,4014 to 0,4014 on Drill Drawing

## Text inside footprints (layer, text, board x,y; h text height)
P7: Top Overlay "38" at 2205,770 h50; Top Overlay "37" at 2201,671 h50; Top Overlay "1" at 210,675 h50; Top Overlay "2" at 197,776 h50
P10: Top Overlay "2" at 197,3176 h50; Top Overlay "1" at 210,3075 h50; Top Overlay "37" at 2201,3071 h50; Top Overlay "38" at 2205,3170 h50